# Altium PCB Hrafn_backup.PcbDoc (part 3 of 5) (continued)
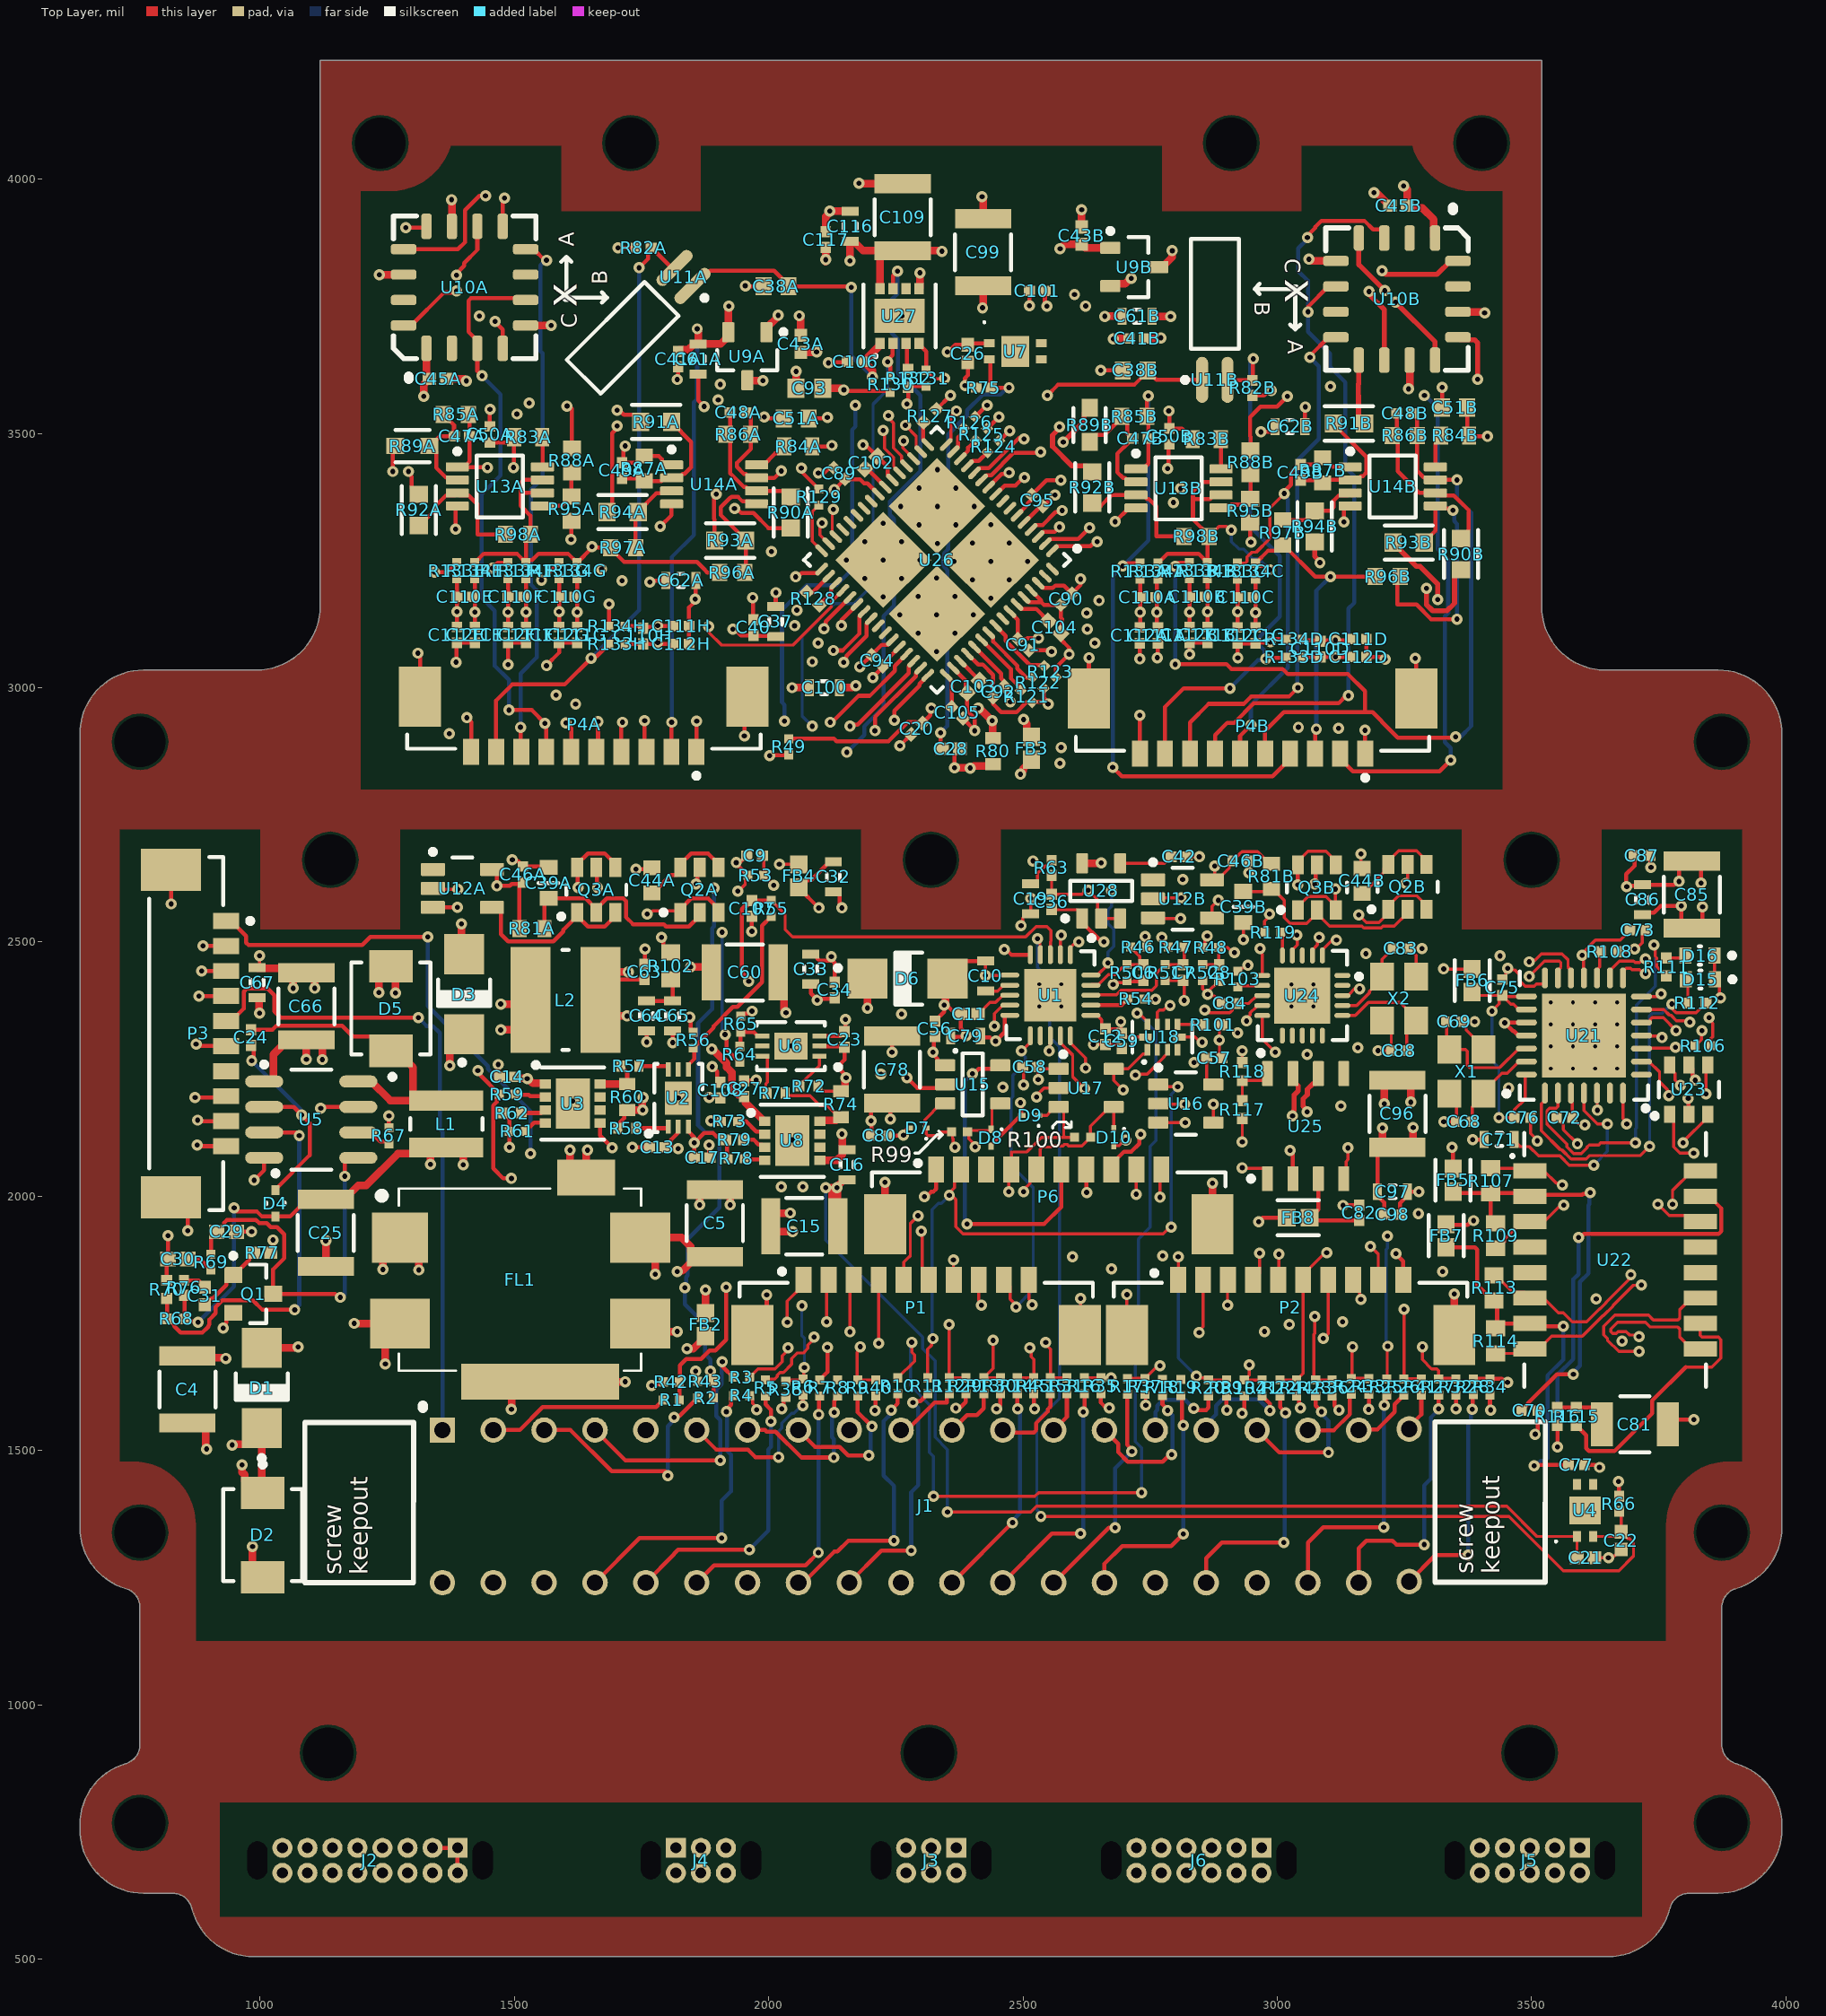
[diagram p0: Top Layer view]
## Nets (pads, with @x,y where several pads share a name; then routed paths per layer and width w, separated by ;. In a path a pad name is that pad's centre, name@x,y a point inside that pad or via, vN(x,y) a via of type N, cw(c..) or ccw(c..) an arc to the next point about the centre after c; other vN are vias at no path point) (continued)
  Top Layer w15: C60.1@2018.7,2439.96 2029.96,2428.7 2029.96,2366.93 2033.85,2363.05 v1(2033.85,2361.15) ; R74.2@2141.91,2206.72 2145.85,2206.72 2150.16,2211.03 2150.16,2229.27 2152,2231.11 v1(2152,2233) ; v1(2193.9,2370.1) D6.1@2193.9,2428.15 ; v1(3207,2134) 3207,2107.32 C96.1@3218.26,2096.06 ; C96.1@3236,2096.06 3255.74,2096.06 3267,2107.32 v1(3267,2135)
  Internal Top w8: v1(874.02,2299.21) 1375.79,2299.21 v1(1428,2247) ; v1@1823.47,2093.53 1823.47,2097.32 1833.65,2107.5 1833.65,2113.6 1865.37,2145.32 1883.32,2145.32 1886.17,2148.17 2200.83,2148.17 v1(2201,2148.35)
  other v1: 2741.31,1588.81 1821.47,2093.53 2529.74,2229.56 2836,2263 2692,2343 2740,2511 3734.6,2646.66
D5V: C15.1 C16.2 C17.2 C19.2 C21.2 C66.1 C67.1 D3.1 FB2.1 FB3.2 FB4.1 P3.2 R48.2 R58.1 R60.2 R67.1 U4.1 U5.1 | length 3412.8
  Top Layer w6: v1(2020.71,2652.6) FB4.1@2059.06,2652.6 ; v1(2351.38,1378.94) 2515.06,1378.94 2526.68,1390.55 3450.79,1390.55 3510.34,1331.01 U4.1@3589.18,1331.01 3589.18,1289.5 C21.2@3588.68,1289 ; v1(2496.06,2531.96) 2499.12,2535.02 2499.12,2547.35 2506.89,2555.12 C19.2@2514.76,2555.12 v1(2514.76,2585.63) ; R48.2@2853.25,2489 2857.25,2493 2857.25,2506.86 v1(2862.2,2511.81)
  Top Layer w8: v1(887.8,2492.13) P3.2@933.07,2492.13 ; R67.1@1253.16,2134.66 v1(1253.18,2158.18) ; R58.1@1702.94,2133.72 1707.8,2138.58 1707.8,2145.79 1715.55,2153.54 1715.55,2163.03 R60.2@1721.66,2169.13 ; v1@1882.63,2103.59 1882.63,2077.72 C17.2@1884.35,2076
  Top Layer w15: C67.1@994.09,2390.75 996.3,2390.75 997.66,2389.39 997.66,2361.34 v1(999,2360) ; U5.1@1007.87,2225.59 1021.98,2225.59 1025.96,2229.57 1025.96,2278.93 1054.4,2307.37 C66.1@1090.84,2307.37 ; v1(1090.84,2268.99) C66.1@1090.84,2307.37 ; v1(1122.05,2268.7) 1122.05,2296.11 1110.79,2307.37 C66.1@1090.84,2307.37 ; v1(1373.03,2256.89) 1373.03,2290.76 D3.1@1400.84,2318.57 ; R60.2@1721.66,2169.13 1721.73,2169.2 1753.85,2169.2 v1@1754.42,2169.78 ; v1@1751.42,2169.78 v1@1751.42,2189.84 ; v1@1752,2194.16 1752,2192.26 v1@1754.42,2189.84 ; FB2.1@1875.64,1770.39 v1(1875.64,1815.64) ; v1@2115.11,2016.7 v1(2111.88,2016.75) v1(2111.88,2016.75) v1(2134,2016.75) ; 2124.68,2004.46 2124.68,1997.49 2124.68,1952.26 C15.1@2135.94,1941 2134.97,1941.97 2134.97,2015.78 v1(2134,2016.75) ; C16.2@2154,2032.47 2146.13,2032.47 2144.77,2031.11 2144.77,2029.41 2134,2018.64 v1(2134,2016.75) ; v1(2495,2829.79) 2495,2831.68 2499.93,2836.61 2499.93,2840.48 2516.73,2857.28 FB3.2@2516.73,2858.23
  Internal Top w6: v1(2496.06,2531.96) 2500.39,2531.96 2509.78,2541.35 2675.82,2541.35 2727.53,2489.64 2797.78,2489.64 2819.95,2511.81 v1(2862.2,2511.81)
  Bottom Layer w6: v1(2111.88,2016.75) 2111.88,1913.71 2302.87,1722.72 2302.87,1700.22 2327.02,1676.06 2327.02,1526.31 2351.38,1501.95 v1(2351.38,1378.94)
  other v1: 1882.63,2100.59 1751.92,2169.28 1753,2194.16
DGND: C5.2 C6.1 C7.1 C8.1 C9.1 C10.1 C11.2 C12.1 C13.1 C14.1 C15.2 C16.1 C17.1 C21.1 C22.1 C23.1 C25.2 C27.1 C28.1 C29.1 C30.1 C32.1 C33.1 C34.1 C36.1 C39A.2 C39B.2 C42.1 C46A.1 C46B.1 C56.1 C57.1 C58.1 C59.1 C60.2 C63.2 C66.2 C67.2 C68.1 C69.2 C70.1 C71.2 C72.1 C73.1 C75.1 C76.1 C77.1 C78.2 C79.1 C80.1 C82.2 C83.1 C84.1 C85.2 C86.1 C87.1 C88.1 C96.2 C97.1 C98.1 C107.1 C108.1 D3.2 D5.2 D6.2 D7.2 D8.2 D9.2 D10.2 D15.1 D16.1 FL1.4 FL1.5 FL1.6 J1.6 J1.9 J1.14 J1.20 J1.25 J1.30 J1.34 J1.39 P1.10 P1.MP1 P1.MP2 P2.10 P2.MP1 P2.MP2 P3.9 P3.10 P3.MP1 P3.MP2 P6.10 P6.MP1 P6.MP2 Q1.2 Q2A.5 Q2B.5 Q3A.5 Q3B.5 R31.1 R34.1 R39.1 R41.1 R45.1 R50.1 R51.1 R52.1 R53.1 R56.2 R61.1 R62.1 R63.1 R65.2 R66.1 R70.1 R77.1 R78.1 R79.1 R80.2 R101.2 R102.1 R108.1 R118.1 U1.6 U1.9 U1.21 U2.0 U2.3 U3.5 U3.9 U5.4 U6.0 U6.3 U8.5 U8.9 U12A.3 U12B.3 U15.2 U16.2 U17.2 U18.5 U21.7 U21.14 U21.17 U21.18 U21.26 U21.29 U23.2 U24.8 U24.21 U25.2 U28.2 U28.3 X1.2 X1.4 X2.2 X2.4 | length 7454.5
  Top Layer w6: C67.2@994.09,2449.8 999,2454.71 v1@999,2474 ; v1@1881,2195 1902.83,2195 C108.1@1904.53,2193.31 ; C9.1@1987.8,2669.29 1990.16,2666.93 R53.1@1990.16,2630.91 v1(2009.84,2611.22) ; C10.1@2426.18,2462.6 v1(2426.18,2434.06) 2426.48,2434.35 2473.61,2434.35 U1.6@2473.91,2434.65 ; v1(2443.62,2334.38) 2443.62,2359.09 2460.13,2375.59 U1.9@2473.91,2375.59 ; C58.1@2498.82,2253.94 2501,2251.76 v1(2501,2219) ; P1.10@2511.3,1835.71 2511.3,1797.03 2517.52,1790.81 v1(2517.52,1786.48) ; v1(2526.57,2194.88) 2526.57,2198.39 2541.18,2213 U17.2@2569.87,2213 ; R63.1@2556.1,2630.91 C36.1@2556.1,2594.09 2615.76,2594.09 2623.67,2602 v1(2628,2602) 2646.74,2583.26 2646.74,2553.06 U28.2@2653.54,2546.26 U28.3@2690.94,2546.26 ; P1.MP2@2611.69,1727.44 2613,1728.75 v1@2613,1797 ; v1@2636.24,2298.65 2686.18,2298.65 2694,2290.83 C59.1@2694,2290.04 ; v1(2677.13,2416.72) 2680.19,2419.79 2702.43,2419.79 2704.38,2421.74 2734.25,2421.74 C6.1@2736.88,2424.36 ; D10.2@2678,2099.46 2689.09,2099.46 2697.22,2107.59 v1@2700,2107.59 ; P2.MP1@2704.21,1727.44 v1(2704.21,1806.57) ; 2717.74,2423.97 C6.1@2734.25,2423.97 ; U12B.3@2755.48,2547.31 2756.79,2546 v1(2810,2546) ; U16.2@2765.83,2182.17 2766.89,2181.1 v1(2817.91,2181.1) ; v1(2769,1998) 2769,2050.09 P6.10@2771.91,2053 ; R51.1@2779.18,2423.97 2814.22,2423.97 C7.1@2814.61,2424.36 2817,2421.98 v1(2817,2385) ; U18.5@2807.86,2313 2837.67,2313 2847.67,2303 v1(2852,2303) 2854.95,2305.95 v1@2859.66,2305.95 ; C42.1@2822.18,2667.5 v1(2846.5,2667.5) ; R52.1@2852.99,2423.97 2852.99,2407.87 v1@2863.01,2397.85 ; v1@2858.83,2300.5 v1@2858.83,2305.12 ; C8.1@2885.48,2424.36 2885.48,2423.57 2863.01,2401.1 v1@2863.01,2397.85 ; R101.2@2890.72,2337 2886,2332.28 2886,2276.96 C57.1@2890.96,2272 ; C84.1@2892.01,2379.02 2891.22,2379.02 2876.33,2393.9 2866.07,2393.9 v1(2863.01,2396.97) v1@2863.01,2397.85 ; R118.1@2930.99,2262.87 v1(2930.99,2285.99) ; C39B.2@2933.07,2538.39 2933.47,2537.99 v1(2933.47,2504.49) ; v1@2943.9,2633.17 C46B.1@2943.9,2659.45 ; U24.8@3127.84,2394.77 3138.66,2394.77 3153.9,2410 v1@3162,2410 ; v1(3198.15,2286.34) C88.1@3223.94,2286.34 3223.94,2327.28 X2.2@3205.83,2345.39 ; v1(3252.95,2615.16) 3255.89,2618.09 Q2B.5@3255.89,2652.63 ; X2.4@3272.76,2432.01 3272.76,2473.74 3259.37,2487.12 v1(3284.37,2487.12) ; v1@3324.27,2146.73 C68.1@3352.24,2146.73 3352.24,2187.68 X1.4@3338.07,2201.85 ; C69.2@3363.27,2343.58 C69.2@3364.05,2343.58 ; v1@3390,2343 3389.42,2343.58 C69.2@3364.05,2343.58 ; X1.2@3405,2288.47 3405,2292.4 3371.29,2326.11 3371.29,2336.35 C69.2@3364.05,2343.58 ; C75.1@3442.4,2426.26 3449.64,2433.5 3449.64,2440.31 3453,2443.67 v1(3453,2448) 3455.78,2445.22 3466.5,2445.22 3476,2435.72 3476,2424.13 3487.13,2413 3505.09,2413 3509.54,2417.45 3523.38,2417.45 3526.06,2420.13 U21.14@3526.06,2429.21 ; C76.1@3497.52,2154.61 3497.52,2123.8 3511,2110.32 v1(3511,2109) ; C72.1@3548.7,2154.61 3561.96,2141.35 3561.96,2131.04 v1(3590,2103) ; C21.1@3623.32,1289 v1(3650.96,1289) 3654.4,1292.44 3662.77,1292.44 3665.61,1295.29 3666.4,1295.29 3676,1304.89 C22.1@3676,1305.68 ; U21.26@3628.43,2202.84 3628.76,2202.51 3628.76,2169.42 v1(3629.09,2169.09) ; R108.1@3670.72,2481 3692.71,2481 3698.11,2486.4 v1(3702.44,2486.4) 3705.4,2486.4 3717.51,2498.51 3717.51,2511.76 3718.51,2512.76 3718.51,2516.76 C73.1@3724.75,2523 ; U21.7@3716.02,2392.8 3754.8,2392.8 v1(3754.8,2398) ; D16.1@3859.47,2473.32 3859.47,2427.07 D15.1@3860.24,2426.31 3869.05,2417.5 3869.05,2392.3 v1(3871.35,2390)
  Top Layer w8: R70.1@816.21,1834.55 816.21,1874.13 C30.1@818.91,1876.83 v1(818.9,1922.24) ; P3.MP2@824.8,1998.03 857.28,1965.55 v1(857.28,1932.09) ; v1(824.8,2574.8) P3.MP1@824.8,2641.73 ; v1(875.98,2100.39) 877.95,2098.43 P3.10@933.07,2098.43 ; v1(876.97,2149.61) 878.94,2147.64 P3.9@933.07,2147.64 ; v1(927,1741) 927,1744.79 933.13,1750.92 933.13,1758.92 944.88,1770.67 Q1.2@946.85,1770.67 ; C29.1@953.35,1930.12 v1@986.22,1930.12 ; v1(988.19,2031.5) 1007.87,2051.18 U5.4@1007.87,2075.59 ; R77.1@1020.67,1888.78 1025,1893.11 v1@1025,1916 ; U12A.3@1339.57,2567.91 v1(1387.8,2567.91) ; v1(1468,2259) 1469.15,2257.85 1469.15,2235.88 C14.1@1470.3,2234.72 ; R62.1@1477.94,2163.72 1489.91,2151.76 R61.1@1489.91,2127.72 v1(1489.91,2096.46) ; v1(1495.7,2661.49) 1498.38,2658.81 1506.55,2658.81 C46A.1@1516.73,2648.62 1564.96,2648.62 C39A.2@1566.93,2646.65 ; Q3A.5@1660.83,2646.57 1662.11,2645.29 1662.11,2608.56 v1(1663.39,2607.28) ; U3.5@1668.46,2143.86 1668.46,2118.95 v1(1691.93,2095.47) ; v1(1732,2096) C13.1@1765.65,2096 ; C63.2@1755.91,2456.5 1756.4,2456.99 1756.4,2485.73 v1(1756.89,2486.22) ; v1@1789,2511 1789,2507.21 1792.39,2503.83 1792.39,2491.28 1804.13,2479.53 R102.1@1807.09,2479.53 ; U2.3@1841.68,2136.7 1841.69,2127.84 1853.65,2115.88 v1(1853.65,2105.32) ; v1(1844.49,2352.36) 1846.78,2350.07 1846.78,2327.43 R56.2@1851.38,2322.83 ; C17.1@1853.65,2076 v1(1853.65,2105.32) ; v1@1857,2613 1859.34,2615.34 1859.34,2642.01 Q2A.5@1863.9,2646.57 ; R78.1@1920.25,2074 1917.77,2076.48 1917.77,2108.52 1908.46,2117.83 1896.68,2117.83 1890.19,2124.32 1873.04,2124.32 1854.04,2105.32 v1(1853.65,2105.32) ; R65.2@1945.06,2354.36 1949.92,2359.22 1958.43,2359.22 1963.21,2364 v1(1967,2364) ; C27.1@1951.77,2226.97 1952.7,2227.9 1974.05,2227.9 v1(1974.98,2228.83) ; v1(1966.83,2520.97) C107.1@1966.83,2550.5 ; P1.MP1@1967.99,1727.44 1996,1755.45 v1(1996,1806) ; C33.1@2090.55,2476.38 2095.41,2471.52 2095.41,2467.59 2100,2463 2115,2463 v1(2123,2471) ; U6.3@2099.79,2314.99 2140.97,2314.99 2150.81,2324.83 v1@2150.81,2349.81 ; 2115,2463.29 2125.23,2463.29 2129.92,2458.6 C34.1@2129.92,2420.87 ; C32.1@2126.97,2598.43 2134.84,2598.43 2139.7,2593.57 2139.7,2574.18 2143.7,2570.18 v1(2143.7,2566.93) ; C80.1@2234.16,2119.09 2264.09,2119.09 v1(2265,2120) ; v1(2242.2,2283.54) C78.2@2242.2,2315.04 ; v1@2261.74,2121.44 2274.3,2134 D7.2@2276.46,2134 ; v1(2271.65,2233.27) 2291.92,2213 2339.87,2213 U15.2@2346.87,2220 ; C56.1@2326.77,2343.7 2326.77,2344.49 2345.14,2362.86 v1(2345.14,2375.66) ; v1@2347.44,2377.95 2360.53,2364.87 2371.16,2364.87 C11.2@2377.76,2358.27 2377.75,2330.03 2388,2319.79 v1(2388,2316) 2385.21,2313.21 2358.47,2313.21 2357.77,2312.51 2357.27,2313.01 C79.1@2357.27,2315.01 ; D6.2@2351.38,2428.15 2385.83,2462.6 C10.1@2426.18,2462.6 ; v1(2365.16,2842.52) 2365.16,2869.49 2366.2,2870.54 2366.2,2871.32 2374.8,2879.92 C28.1@2375.59,2879.92 ; D8.2@2437,2098.46 2437,2100.63 2494.38,2158.01 2494.38,2158.08 D9.2@2496.22,2159.92 ; v1(2495,2184) 2496.23,2182.77 D9.2@2496.23,2159.92 ; R45.1@2521.14,1611.3 2521.14,1583.19 v1(2522.64,1581.69) ; J1.25@2560.02,1539.98 2560.02,1540.08 2586.13,1566.19 R31.1@2586.13,1611.3 ; R39.1@2899.91,1607.36 2899.91,1580.41 v1(2900.59,1579.72) ; v1(3025,2090) 3030.59,2084.41 U25.2@3030.59,2034.53 ; v1(3073.33,2613.68) 3075.54,2615.9 3075.54,2647.88 3074.8,2648.62 Q3B.5@3077.76,2651.57 ; v1(3129,1982) 3129.56,1982.56 C82.2@3160.51,1982.56 ; v1(3233,1887) 3247.52,1872.48 P2.10@3247.52,1835.71 ; C98.1@3241.12,1963.84 3241.12,1986.4 3255.79,2001.06 C97.1@3255.79,2008.94 v1@3279.94,2008.94 ; J1.39@3259.15,1542.34 3259.15,1546.96 3283,1570.81 R41.1@3283,1609.25 ; v1@3381,2111 3406.57,2111 C71.2@3406.87,2111.3 ; R34.1@3418,1609.25 3418,1581.02 v1(3419.29,1579.72) ; U21.18@3489.65,2316.02 3473.85,2316.02 3465.14,2324.74 3463.26,2324.74 v1(3447,2341) 3447.61,2341.61 U21.17@3489.65,2341.61 ; v1(3507,1532) 3507,1535.79 3511.81,1540.6 C70.1@3511.81,1578.74 ; C77.1@3603.78,1471.76 3624.6,1471.76 3629.52,1466.83 v1(3633.31,1466.83) ; v1(3671,1439) 3672,1438 R66.1@3672,1409.76 ; v1@3686,2608 v1@3688.26,2610.26 ; C87.1@3701.65,2670 3702.3,2669.35 3702.3,2649.76 3686,2633.47 3686,2612.53 v1@3688.26,2610.26 ; v1(3807.82,2192.18) 3808.44,2191.56 3808.44,2162.04 U23.2@3809.06,2161.42 ; v1(3833,2616) 3833,2644.18 3818.24,2658.94 C85.2@3815,2658.94 3804.76,2658.94 3790,2644.18 v1(3790,2619) 3786.21,2619 3779.74,2612.53 C86.1@3718,2612.53 3715.74,2610.26 v1@3688.26,2610.26
  Top Layer w15: C67.2@994.09,2449.8 995.45,2448.45 1081.66,2448.45 C66.2@1090.84,2439.26 ; v1@1065,2408 1065,2428 1076.26,2439.26 C66.2@1090.84,2439.26 ; v1@1107,2407 1107,2428 1095.74,2439.26 C66.2@1090.84,2439.26 ; v1(1128.94,1912.4) 1129,1912.34 C25.2@1129,1862.06 ; v1(1233.27,2400.59) 1233.27,2428.54 D5.2@1256.89,2452.17 1265.75,2443.31 v1(1265.75,2399.61) ; v1(1395.67,2535.43) 1395.67,2481.23 D3.2@1400.84,2476.06 ; v1(1494,1581) 1494.12,1581.12 1494.12,1607.28 1522.05,1635.21 v1(1717.79,1635.21) ; v1(1609.25,2090.55) 1609.25,2064.72 1637.19,2036.79 FL1.4@1640.92,2036.79 1640.92,2087.77 v1(1643.7,2090.55) ; FL1.5@1747.22,1749.39 1762.61,1734 v1(1820,1734) ; v1(1846,2451) 1875.77,2451 C60.2@1886.81,2439.96 ; v1@1864,1982 1864,2001.68 1875.26,2012.94 1912.74,2012.94 1924,2001.68 v1(1924,1983) ; v1(2042,1967) 2015.32,1967 2004.06,1955.74 2004.06,1941.26 2015.32,1930 v1(2047,1930) ; U8.9@2046.24,2109.28 v1(2046.24,2110.76) ; U8.5@2100.18,2070.89 2133.71,2070.89 2144.77,2081.95 2144.77,2090.17 2145.02,2090.42 2145.02,2120.98 v1(2143.68,2122.32) ; P6.MP1@2228.61,1944.73 v1(2228.61,2027.61) ; v1(2345.14,2375.66) 2347.44,2377.95 2347.44,2424.21 D6.2@2351.38,2428.15 ; v1(2365.16,2842.52) 2365.4,2842.27 2395.92,2842.27 v1(2396.16,2842.03) 2398.6,2842.03 2402.7,2846.13 2437.66,2846.13 R80.2@2440.94,2849.41 ; P6.MP2@2872.31,1944.73 v1(2872.31,2025.69) ; v1(3210,2182) 3210,2216.68 3221.26,2227.94 3250.74,2227.94 3262,2216.68 v1(3262,2185) ; P2.MP2@3347.91,1727.44 v1(3347.91,1807.91)
  other v1: 2613,1799 1025,1914 983.22,1930.12 1864,1983 3277.94,2008.94 2702,2110 3384,2111 3327.27,2146.73 1614.17,2187.01 1883,2194 2638.24,2298.65 2886,2307 3388,2343 2150.81,2347.81 3162,2408 1065,2409 1107,2409 999,2473 1789,2509 3687,2609 1857,2614 2943.9,2636.17
  other v3: 3537.87,2251.06 3581.18,2251.06 3624.49,2251.06 3667.8,2251.06 3537.87,2294.37 3581.18,2294.37 3624.49,2294.37 3667.8,2294.37 3537.87,2337.68 3581.18,2337.68 3624.49,2337.68 3667.8,2337.68 3027.44,2373.11 3070.75,2373.11 2531.98,2373.62 2575.28,2373.62 3537.87,2380.98 3581.18,2380.98 3624.49,2380.98 3667.8,2380.98 3027.44,2416.42 3070.75,2416.42 2531.98,2416.93 2575.28,2416.93
  other v4: 1822.32,2193 2043.49,2295.62
ETH_CSb: P2.8 R16.2 R35.1 U21.5 | length 2005.5
  Top Layer w6: R16.2@2620.57,1642.8 R35.1@2653.06,1642.8 v1(2673.2,1642.8) ; P2.8@3149.09,1835.71 3161.84,1822.96 3161.84,1799.16 v1(3164,1797) ; U21.5@3716.02,2341.61 3729.22,2341.61 3733.69,2346.09 3733.69,2347.49 3737.21,2351 3759,2351 v1(3784,2326)
  Internal Top w6: v1(2674,1857) 2721.18,1857 2751.38,1826.8 3140.2,1826.8 3149.73,1817.27 3149.73,1811.27 v1(3164,1797) 3289.99,1797 3298.08,1788.91 3455.83,1788.91 3464.92,1798 v1(3627,1798)
  Internal Bottom w6: v1(2673.2,1642.8) 2673.2,1856.2 v1(2674,1857) ; v1(3627,1798) 3627,1947.66 3641,1961.66 3641,2107.13 3668,2134.13 3668,2162.39 3675.2,2169.59 3692.59,2169.59 3806.56,2283.56 3806.56,2303.44 v1(3784,2326)
ETH_INT: P2.7 R14.2 R45.2 U21.28 | length 1896.8
  Top Layer w6: R14.2@2488.65,1642.8 R45.2@2521.14,1642.8 2521.14,1679 2516.06,1684.08 2516.06,1698.94 v1(2513,1702) ; v1(3090.55,1720.32) 3099.88,1729.65 P2.7@3099.88,1835.71 ; U21.28@3679.61,2202.84 3679.61,2152.72 3687,2145.33 v1(3687,2142)
  Internal Top w6: v1(2513,1702) 2516.06,1698.94 2524.88,1698.94 2530.05,1693.77 3067.79,1693.77 v1@3090.55,1716.54 ; v1(3090.55,1720.32) 3092.8,1718.07 3110.55,1718.07 3112.09,1716.54 3125.51,1716.54 3132.98,1724 3276.13,1724 3277.13,1723 3471.4,1723 3479.4,1715 v1(3678,1715)
  Internal Bottom w6: v1(3678,1715) 3676,1717 3676,1935.53 3684.86,1944.39 3684.86,2139.86 v1(3687,2142)
ETH_RESETb: P1.1 R21.1 R104.1 U21.6 | length 2817.4
  Top Layer w6: v1(2036.42,1751.97) 2036.42,1793.9 2068.39,1825.87 P1.1@2068.39,1835.71 ; R104.1@2935,1638.5 R104.1@2935.18,1638.68 ; v1(2944.88,1668.31) 2944.88,1648.38 R104.1@2935.18,1638.68 ; R21.1@2969.96,1638.86 2969.78,1638.68 R104.1@2935.18,1638.68 ; U21.6@3716.02,2367.21 3759.65,2367.21 3770.85,2356 3773.77,2356 3784.77,2345 3808.22,2345 v1(3811,2342.22)
  Internal Top w6: v1(2036.42,1751.97) 2059.51,1728.88 2059.51,1712.28 2103.48,1668.31 2674.56,1668.31 2695.26,1647.61 2815.74,1647.61 2836.44,1668.31 v1(2944.88,1668.31) ; v1(2922,2321) 2926.33,2321 2933.33,2314 3670.99,2314 3698.99,2342 3773.13,2342 3776.13,2345 3808.22,2345 v1(3811,2342.22)
  Internal Bottom w6: v1(2922,2321) 2922,2303.87 2911.99,2293.86 2911.99,2008.61 2944,1976.6 2944,1826.59 2944.88,1825.71 v1(2944.88,1668.31)
FLAGB_3V3: U8.7
FLAGB_5V: U3.7
FLAGB_MAG: R7.2 U27.7 | length 2390.1
  Top Layer w8: R7.2@2099.88,1638.86 2115.16,1654.13 v1(2115.16,1702.76) ; U27.7@2244.2,3784.94 2244.2,3810.15 v1(2252.95,3818.9)
  Internal Bottom w8: v1(2115.16,1702.76) 2139.8,1727.4 2139.8,1743.41 2157,1760.61 2157,2033 2120.91,2069.09 2120.91,2251.96 2123.7,2254.75 2123.7,2270.78 2128.62,2275.7 2128.62,2366.73 2139.08,2377.19 2139.08,2458.79 2143,2462.72 2143,2539.35 2123.7,2558.64 2123.7,2755.9 2153.54,2785.74 v1(2153.54,2873.03)
  Bottom Layer w8: v1(2153.54,2873.03) 2187.66,2907.15 2187.66,2924.05 2225.72,2962.11 2225.72,3141.09 2246.01,3161.38 2246.01,3194.29 2240.2,3200.1 2240.2,3233.02 2246.01,3238.83 2246.01,3265.1 2240.16,3270.95 2240.16,3306.39 2246.01,3312.24 2246.01,3332.34 2238.11,3340.24 2238.11,3366.07 2298.23,3426.18 2298.23,3574.8 2253.95,3619.08 2253.95,3684.91 2241.5,3697.36 2241.5,3763.19 2252.95,3774.64 v1(2252.95,3818.9)
HK_CSb: P1.9 R6.1 R38.1 U1.11 | length 1272.1
  Top Layer w6: R38.1@2033.46,1635.83 2035.95,1638.31 2064.92,1638.31 2068.7,1642.09 2068.7,1664.7 v1@2070,1666 ; P1.9@2462.09,1835.71 2474.83,1822.96 2474.83,1797.66 2486.22,1786.27 v1(2486.22,1782.48) ; v1(2497,2286) 2497.74,2286 2514.26,2302.52 U1.11@2514.26,2315.55
  Internal Top w6: v1(2064.96,1784.45) 2140.61,1784.45 2153.94,1771.12 2356.7,1771.12 2360.79,1767.03 2362.2,1767.03 2365.75,1763.48 2467.22,1763.48 v1(2486.22,1782.48)
  Bottom Layer w6: v1(2064.96,1784.45) 2064.71,1784.19 2064.71,1726.34 2070,1721.05 v1@2070,1666 ; v1(2486.22,1782.48) 2520,1816.26 2520,2016.87 2476,2060.87 2476,2191.87 2480.03,2195.9 2480.03,2237.83 2504.78,2262.58 2504.78,2273.89 2497,2281.67 v1(2497,2286)
  other v1: 2070,1663
MAG_5V: C43A.2 C43B.2 C109.1 C116.2 C117.2 U9A.1 U9B.1 U27.8 | length 481.3
  Top Layer w15: U9A.1@1995.31,3699.07 1995.31,3706.94 2018.7,3730.33 v1(2018.7,3732.28) ; v1(2060.04,3731.3) 2062.99,3728.35 C43A.2@2062.99,3693.11 ; v1@2112.2,3837.6 C117.2@2112.2,3865.55 ; v1(2159.45,3839.57) 2159.87,3839.99 C116.2@2159.87,3878.05 2167.75,3878.05 2169.11,3876.69 2169.11,3875.76 2185.52,3859.35 C109.1@2229.88,3859.35 ; U27.8@2218.61,3784.94 2218.61,3848.08 C109.1@2229.88,3859.35 ; C109.1@2231.3,3859.35 C109.1@2229.88,3859.35 ; C109.1@2263.22,3859.35 2339.47,3859.35 v1(2340.55,3858.27) ; v1(2572.83,3863.19) 2581.69,3872.05 C43B.2@2615.16,3872.05 ; C43B.2@2621.75,3864.66 U9B.1@2671.53,3864.66
  other v1: 2112.2,3841.6
MAG_ALERT: P2.1 R20.1 R39.2 U26.16 | length 2507.2
  Top Layer w6: U26.16@2348.89,3478.15 2357.94,3487.2 2357.94,3533.14 v1(2369.09,3544.29) ; P2.1@2804.61,1835.71 2805,1836.1 v1(2805,1880.8) ; v1(2841,1646) 2844.06,1642.94 2860.39,1642.94 R20.1@2864.47,1638.86 R39.2@2899.91,1638.86
  Internal Top w6: v1(2519.68,2659.45) 2585.16,2659.45 2601.22,2675.51 2765.43,2675.51 2813.84,2627.11 v1(2813.84,2623)
  Internal Bottom w6: v1(2369.09,3544.29) 2369.09,3471.14 2387.68,3452.55 2387.68,3384.26 2383,3379.58 2383,3347.99 2387,3343.99 2387,3328.87 2387.49,3328.37 2387.49,3311.96 2380.58,3305.05 2380.58,3269.2 2384.01,3265.77 2384.01,3232.13 2380.58,3228.7 2380.58,3196.15 2386.1,3190.63 2386.1,3155.03 2382.67,3151.59 2382.67,3135.18 2386.1,3131.75 2386.1,2900.02 2519.68,2766.44 v1(2519.68,2659.45) ; v1(2805,1880.8) 2808.06,1883.86 2808.06,1897.6 2814.26,1903.8 2814.26,2122.61 2785.13,2151.74 2785.13,2271.46 2836,2322.32 2836,2437.28 2830.1,2443.17 2830.1,2606.74 v1(2813.84,2623)
  Bottom Layer w6: v1(2805,1880.8) 2805,1682 v1(2841,1646)
MAG_CSb: P1.8 R23.1 R36.1 U26.18 | length 2862.9
  Top Layer w6: v1(2268.62,3516.03) 2268.62,3515.83 2289.73,3494.71 2289.73,3473.28 U26.18@2298.78,3464.23 ; P1.8@2412.87,1835.71 2412.87,1795.46 2418,1790.33 v1(2418,1786) ; v1(3073.5,1763.5) 3073.5,1730.14 3071.55,1728.19 3071.55,1642.57 R23.1@3075.26,1638.86 R36.1@3107.76,1638.86
  Internal Top w6: v1(2418,1786) 2421.06,1782.94 2429.06,1782.94 2429.51,1782.48 2444.95,1782.48 2475.35,1812.88 2567.3,1812.88 2607.41,1772.77 2863.21,1772.77 2868.98,1767 2950.93,1767 ; 2950.96,1767.03 3032.91,1767.03 3035.94,1764 3073,1764 v1(3073.5,1763.5)
  Internal Bottom w6: v1(2268.62,3516.03) 2304.03,3480.61 2304.03,3413.97 2351.49,3366.51 2351.49,3336.45 2347.68,3332.64 2347.68,3304.79 2351.49,3300.98 2351.49,3269.98 2344.2,3262.7 2344.2,3234.52 2350.1,3228.63 2350.1,3196.15 2346.29,3192.34 2346.29,3162.77 2350.1,3158.96 2350.1,3122.94 2346.29,3119.13 2346.29,3083.1 2367.6,3061.8 2367.6,2892.04 2334.16,2858.6 2334.16,2810.77 2477.06,2667.86 2477.06,2524.09 2493,2508.16 2493,2399.54 2478,2384.54 2478,2263.92 2440.03,2225.95 2440.03,1808.03 v1(2418,1786)
MAG_DRDYb: P2.2 R9.1 R40.1 U26.30 | length 2744
  Top Layer w6: v1(2126.97,3350.39) 2124.83,3348.25 2124.83,3304.12 U26.30@2131.75,3297.2 ; v1(2180,1704) 2180,1699.67 2173.96,1693.63 2173.96,1639.59 R9.1@2174.69,1638.86 R40.1@2210.12,1638.86 ; v1(2846.23,1731.77) 2846.23,1736.1 2853.82,1743.69 P2.2@2853.82,1835.71
  Internal Top w6: v1(2180,1704) 2180,1708.24 2194.14,1722.38 2200.51,1722.38 2208.13,1730 2223.87,1730 2259.95,1693.92 2344.79,1693.92 2348.41,1697.54 2362.4,1697.54 2460.98,1697.54 2495.44,1732 2667.03,1732 2667.25,1731.77 v1(2846.23,1731.77)
  Internal Bottom w6: v1(2126.97,3350.39) 2126.97,3295.18 2121.63,3289.84 2121.63,3212.55 2267.05,3067.13 2267.05,2959.86 2277.16,2949.75 2277.16,2876.83 2172,2771.67 2172,2196.35 2164.32,2188.67 2164.32,2042.65 2171.55,2035.42 2171.55,1912.64 2178.8,1905.39 2178.8,1705.2 v1(2180,1704)
MAG_ONb: R4.2 R131.2 U27.4 | length 2456
  Top Layer w6: R4.2@1962.09,1608.35 1967.95,1602.49 1967.95,1592.38 1976,1584.33 v1(1976,1580) ; R131.2@2309.48,3624.11 2315.34,3618.25 2326.31,3607.28 2345.28,3607.28 v1(2346,3608)
  Top Layer w8: U27.4@2295.39,3677.06 2295.39,3675.29 2309.48,3661.2 R131.2@2309.48,3624.11
  Internal Top w6: v1(2170.28,3555.12) 2224.41,3555.12 2262.93,3593.64 2337.05,3593.64 2340.56,3597.16 2340.56,3598.23 2346,3603.67 v1(2346,3608)
  Internal Bottom w8: v1(1976,1580) 1976,1798.72 1967.83,1806.89 1967.83,2193.4 2013.85,2239.42 2013.85,2536.41 2036.93,2559.49 2036.93,2639.12 2041.71,2643.9 2041.71,2874.48 2029.73,2886.46 2029.73,2932.73 v1(2031,2934)
  Bottom Layer w8: v1(2031,2934) 2031,2966.1 2026,2971.1 2026,3153.14 2074.77,3201.91 2132.97,3201.91 2173.63,3242.57 2173.63,3272.95 2163.94,3282.64 2163.94,3507.1 2170.28,3513.44 v1(2170.28,3555.12)
MAG_PGOOD: R5.2 R130.1 U27.2 | length 2281.4
  Top Layer w6: R5.2@1993.58,1638.86 1995.03,1640.3 2011.62,1640.3 2016.61,1645.29 2016.61,1648 2022.28,1653.67 2028.67,1653.67 2044.71,1669.71 2044.71,1681.02 2055.39,1691.7 2067.69,1691.7 2076.81,1700.83 2076.81,1706.9 2089,1719.09 v1(2089,1723)
  Top Layer w8: R130.1@2238.61,3612.3 2238.61,3632.45 2233.95,3637.11 2233.95,3644.68 2243.31,3654.04 2243.31,3676.17 U27.2@2244.2,3677.06
  Internal Bottom w6: v1(2085.63,2924.21) 2085.63,2670.85 2064.71,2649.93 2064.71,2506.29 2104,2467 2104,2463.13 2115.06,2452.07 2115.06,2279.1 2108.91,2272.96 2108.91,2092.95 2086.93,2070.97 2086.93,1725.07 v1(2089,1723)
  Bottom Layer w6: v1(2085.63,2924.21) 2065.63,2944.21 2065.63,3101.31 2129.94,3165.62 2167.65,3165.62 2208.82,3206.79 2208.82,3239.33 2205.2,3242.95 2205.2,3275.49 2208.82,3279.11 2208.82,3311.55 2205.01,3315.36 2205.01,3557.51 2233.95,3586.45 v1(2233.95,3640.9)
MAG_RESETb: P2.5 R2.1 R43.1 U26.36 | length 3267.5
  Top Layer w6: v1(1881.89,3120.56) 1881.89,3109.25 1907.39,3083.76 2047.51,3083.76 2123.01,3159.26 2123.01,3168.75 U26.36@2145.67,3191.41 ; P2.5@3001.46,1835.71 3003,1837.25 v1(3003,1886)
  Top Layer w8: v1(1885,1656.1) 1887.68,1653.42 1887.68,1640.78 1886.36,1640.78 R43.1@1891.22,1635.92 R2.1@1891.22,1603.42
  Internal Top w6: v1(1835,1820) 1865,1790 1942.13,1790 1983.13,1831 2248.43,1831 2324.43,1907 2598.07,1907 2612.98,1892.09 2738.04,1892.09 2779.33,1850.8 2970.23,1850.8 3003,1883.57 v1(3003,1886)
  Internal Bottom w8: v1(1881.89,3120.56) 1884.57,3117.88 1884.57,3100.99 1892,3093.56 v1(1892,2606)
  Bottom Layer w8: v1(1885,1656.1) 1885,1679.25 1874.67,1689.58 1874.67,1747.87 1835,1787.54 v1(1835,1820) 1837.68,1822.68 1837.68,1841.39 1840,1843.72 1840,1915.28 1902.63,1977.91 1902.63,2111.87 1888.83,2125.67 1875.05,2125.67 1861,2139.72 1861,2340.59 1888.46,2368.05 1888.46,2526.99 1892,2530.52 v1(1892,2606)
MAG_SR: P2.3 Q2A.1 Q2A.3 Q2B.1 Q2B.3 R26.1 R41.2 U12A.2 U12B.2 | length 3728.1
  Top Layer w6: U12A.2@1339.57,2605.32 1341.54,2603.35 v1(1388.78,2603.35) ; v1(1761,2555) 1765.33,2555 1771.28,2560.95 1826.5,2560.95 Q2A.1@1826.5,2557.99 ; U12B.2@2755.48,2584.71 2757.78,2587 v1(2811,2587) ; v1(2902,1786) 2902,1834.68 P2.3@2903.03,1835.71 ; v1(3160,2553) 3174.61,2538.39 3199.72,2538.39 3218.49,2557.16 3218.49,2570.94 3238.3,2590.75 3273.48,2590.75 3293.29,2570.94 Q2B.3@3293.29,2564.05 ; v1(3249,1778) R26.1@3249,1640.75 R41.2@3283,1640.75
  Top Layer w8: Q2A.1@1826.5,2557.99 1826.5,2564.88 1847.31,2585.69 1880.49,2585.69 1901.31,2564.88 Q2A.3@1901.31,2557.99
  Internal Top w6: v1(1388.78,2603.35) 1437.13,2555 v1(1761,2555) 2059.63,2555 2090.56,2585.93 2340.99,2585.93 2359.69,2604.63 2587,2604.63 2614.18,2577.46 2725.72,2577.46 2736.55,2588.28 2809.72,2588.28 2837,2561 2963.26,2561 2976.38,2574.12 3116,2574.12 3129.11,2561 3148.49,2561 3156.49,2553 v1(3160,2553) ; v1(2902,1786) 2986.64,1786 2994.19,1793.55 3074.5,1793.55 3090.05,1778 v1(3249,1778)
  Internal Bottom w6: v1(3160,2553) 3200.45,2512.55 3226.62,2512.55 3243,2496.17 3243,1975.14 3252,1966.14 3252,1848.18 3249,1845.18 v1(3249,1778)
MAG_STARTb: P2.4 R1.1 R42.1 U26.33 | length 2965.1
  Top Layer w6: P2.4@2952.24,1835.71 2964.99,1848.46 v1(2965,1888)
  Top Layer w8: R1.1@1823.9,1599.49 1824.1,1599.68 1824.1,1634.72 1825.5,1636.13 1825.5,1667.78 1837.72,1680 1867,1680 1883.73,1696.73 1894.8,1696.73 1916,1717.93 v1(1916,1821) ; v1(2053,3218) 2056.79,3218 2064.3,3225.51 2096.25,3225.51 U26.33@2103.91,3233.17
  Internal Top w6: v1(1916,1821) 1999.23,1904.23 2306.1,1904.23 2319.87,1918 2602.62,1918 2617.54,1903.09 2817.19,1903.09 2832.28,1888 v1(2965,1888)
  Internal Bottom w8: v1(1916,1821) 1916,1934.72 1952.7,1971.41 1952.7,2310.96 1989.49,2347.76 1989.49,2651.08 2022.97,2684.56 2022.97,2874.84 2008.86,2888.95 2008.86,3152.39 2034.78,3178.31 2034.78,3199.78 v1(2053,3218)